# Altium PCB Boris_IO.PcbDoc (part 1 of 2) (continued)
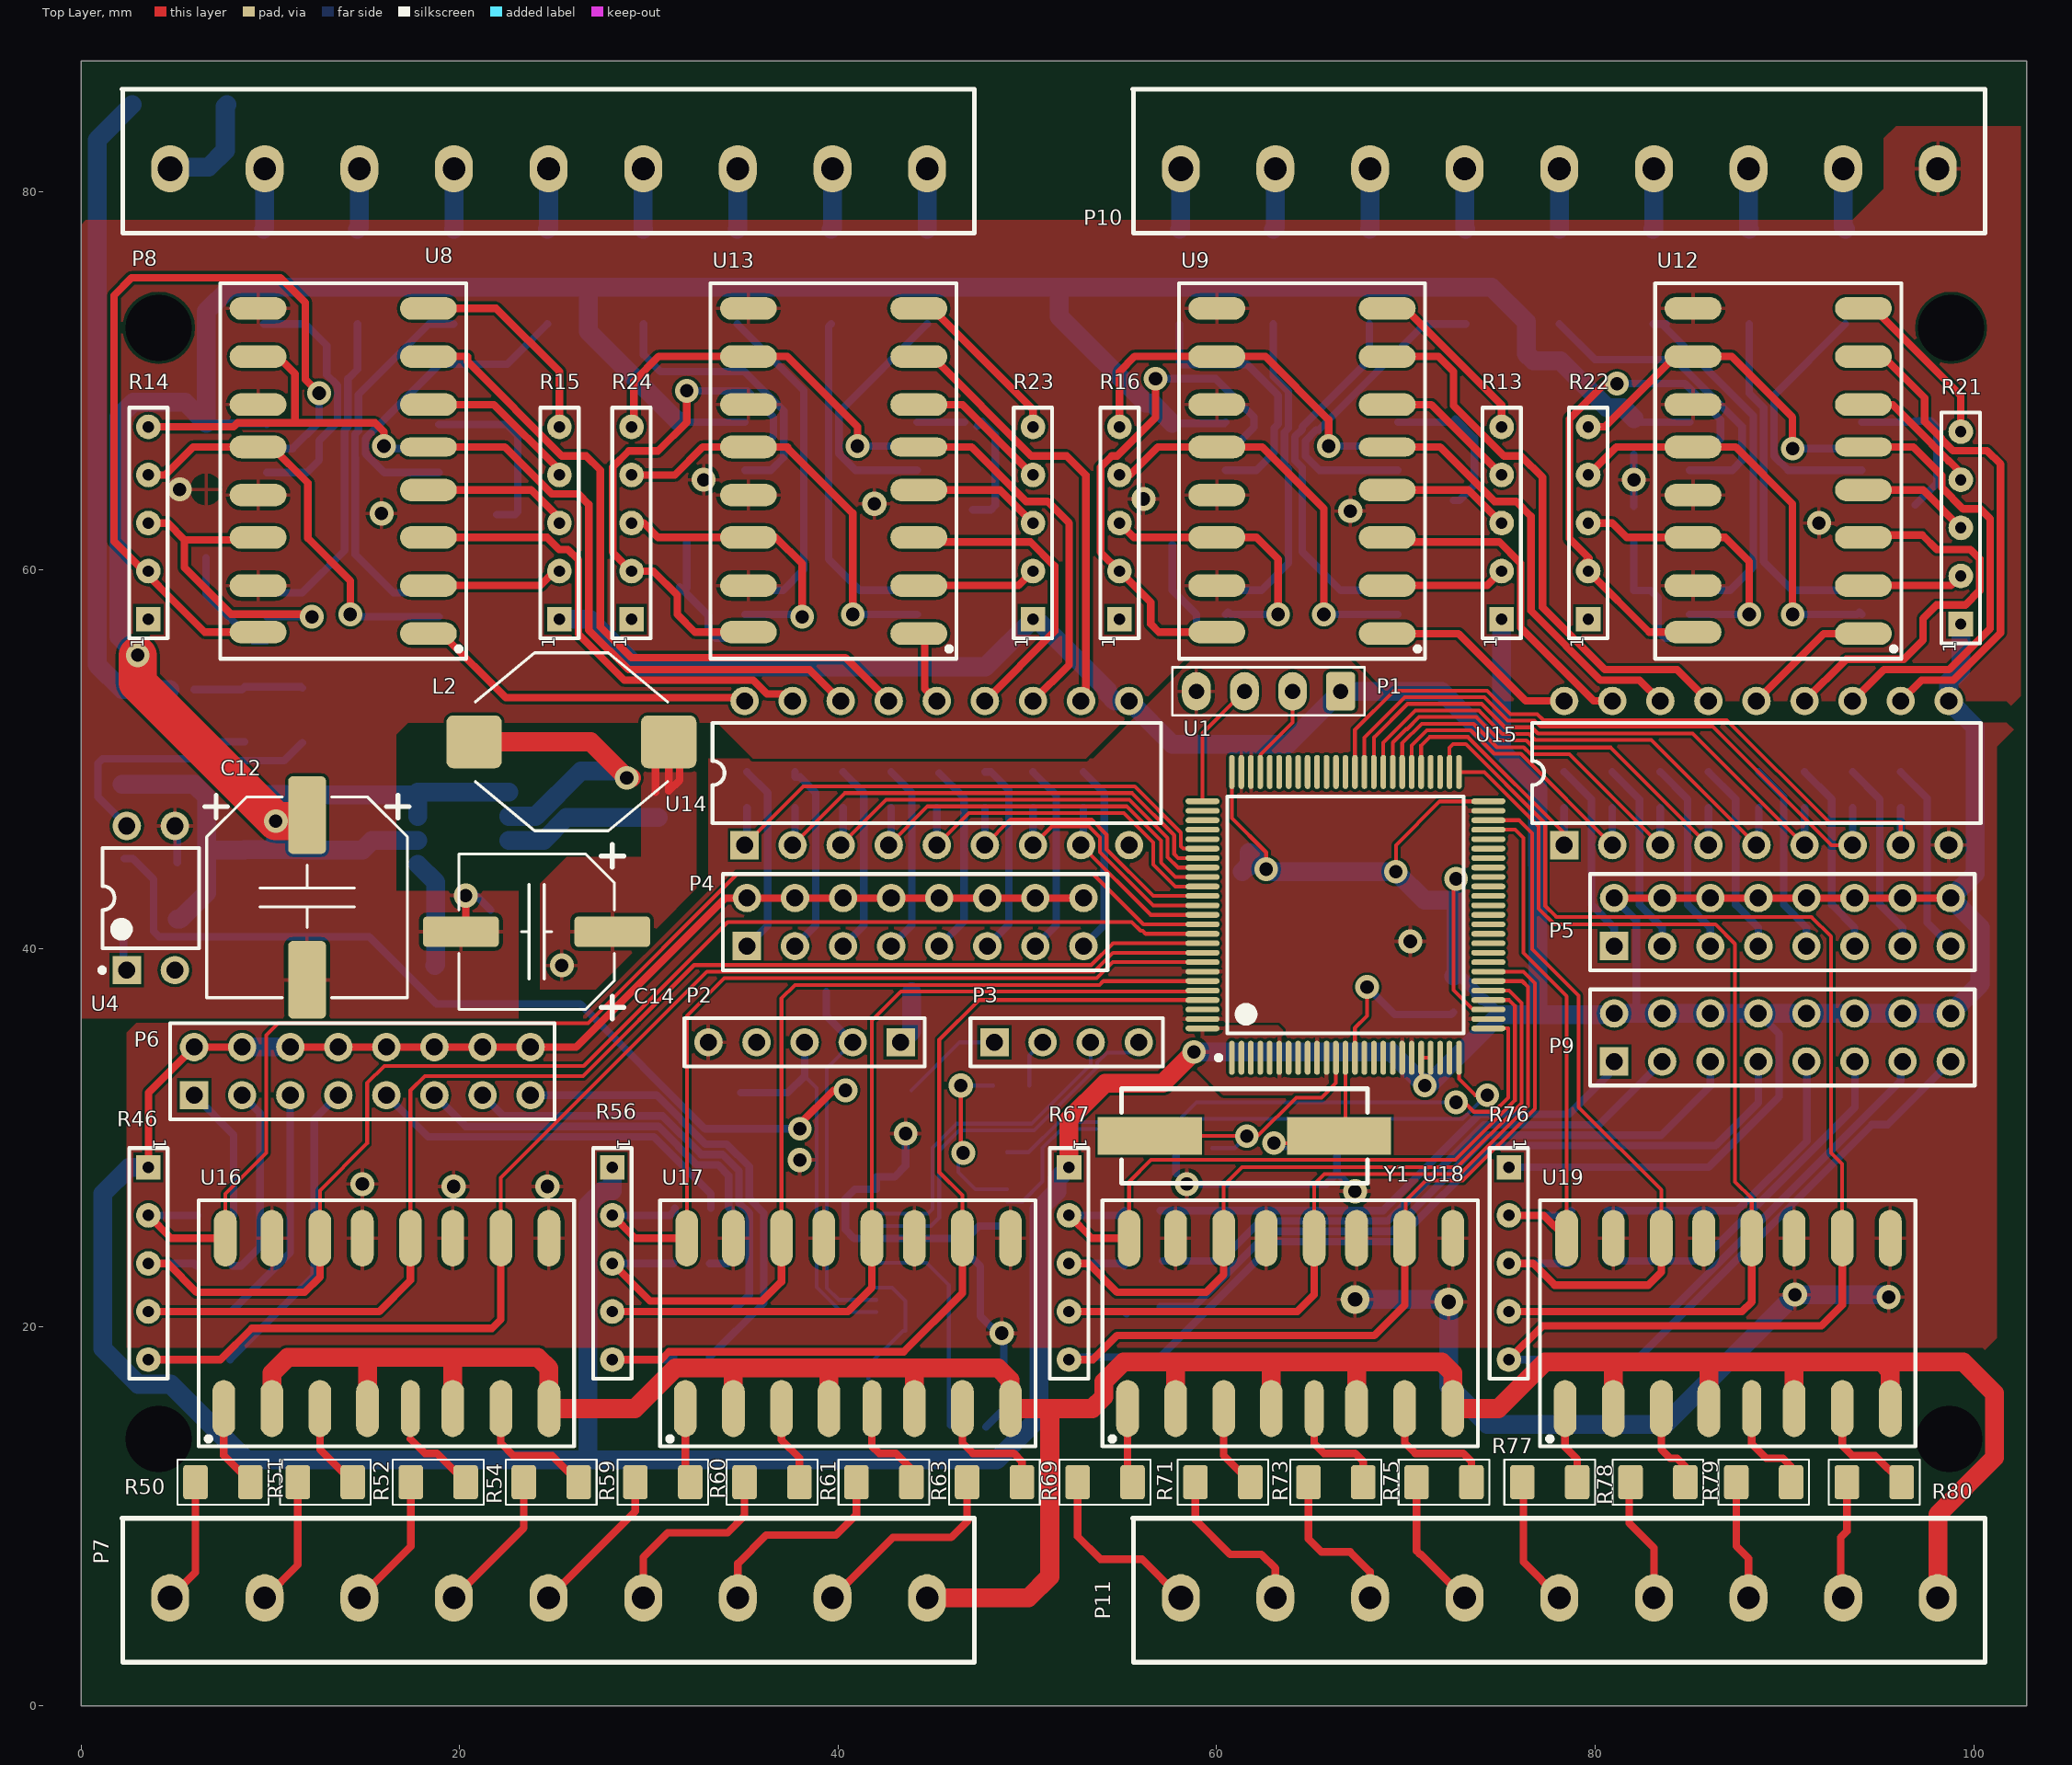
[diagram p0: Top Layer view]
## Components (designator, comment, footprint, x,y, rotation, side; value= is the part's Value field where it differs from the comment) (continued)
R64 "270R" 0805_RES 56.068,23.495 r0 bottom
R65 "270R" 0805_RES 56.068,20.828 r0 bottom
R66 "270R" 0805_RES 56.068,18.288 r0 bottom
R67 "4x10k" NFD_SIL-RES-5 52.197,28.448 r270 top
R68 "270R" 0805_RES 79.69,25.781 r0 bottom
R69 "3k" RESC3216N 54.102,11.811 r0 top
R70 "270R" 0805_RES 79.69,23.495 r0 bottom
R71 "3k" RESC3216N 60.325,11.811 r0 top
R72 "270R" 0805_RES 79.69,20.828 r0 bottom
R73 "3k" RESC3216N 66.294,11.811 r0 top
R74 "270R" 0805_RES 79.69,18.288 r0 bottom
R75 "3k" RESC3216N 72.009,11.811 r0 top
R76 "4x10k" NFD_SIL-RES-5 75.438,28.448 r270 top
R77 "3k" RESC3216N 77.597,11.811 r0 top
R78 "3k" RESC3216N 83.312,11.811 r0 top
R79 "3k" RESC3216N 88.9,11.811 r0 top
R80 "3k" RESC3216N 94.742,11.811 r0 top
U1 "STM32F103VBT6" LQFP100_N 66.802,41.783 r90 top
U2 "FT232RL-Reel" SSOP-28_N 45.466,25.019 r180 bottom
U3 "LD1117AS33" 318E-04 64.643,44.069 r270 bottom
U4 "Optoisolator1" DIP-4 3.683,42.672 r90 top
U5 "MC34063AD" 751-05_N 19.939,46.355 r180 bottom
U6 "L293DD" SO20_N 14.351,61.976 r0 bottom
U7 "L293DD" SO20_N 65.024,62.103 r0 bottom
U8 "LTV844" LTV844S 13.85,65.232 r180 top
U9 "LTV844" LTV844S 64.509,65.232 r180 top
U10 "L293DD" SO20_N 89.535,62.103 r0 bottom
U11 "L293DD" SO20_N 39.624,62.103 r0 bottom
U12 "LTV844" LTV844S 89.669,65.232 r180 top
U13 "LTV844" LTV844S 39.758,65.232 r180 top
U14 "ULN2803A" DIP18 45.212,49.276 r0 top
U15 "ULN2803A" DIP18 88.519,49.276 r0 top
U16 "LTV844" LTV844S 16.129,20.2 r90 top
U17 "LTV844" LTV844S 40.513,20.2 r90 top
U18 "LTV844" LTV844S 63.881,20.2 r90 top
U19 "LTV844" LTV844S 87,20.2 r90 top
Y1 "18.432MHz" SMU4 61.468,30.099 r0 top

## Footprints (in the part's own frame and the unit in brackets; to place one, negate y for a bottom-side part, rotate by r counter-clockwise, add the part's x,y. Pads: shape width x height; smd on the part's side, far side on the other; paste and mask are expansions set on the pad)
3X3 [mm]
  oval 2x2.5 hole 1.3: 1(0,0)
  oval 2x2.5 hole 1.2: 2(5,0) 3(10,0) 4(15,0) 5(20,0) 6(25,0) 7(30,0) 8(35,0) 9(40,0)
  silkscreen extent -2.54,-3.4 42.5,4.2
318E-04 [mm] "SOT-223/SC-73; 4 Leads; Body 6.7 x 7.3 mm, inc. leads (LxW max)"
  rect 1.1x1.75 smd: 1(-2.3,-3.3) 2(0,-3.3) 3(2.3,-3.3)
  rect 3.5x1.75 smd: 4(0,3.3)
  silkscreen extent -3.35,-4.85 3.35,1.85
751-05_N [mm] "SOIC, 8-Leads, Body 4.9x3.9mm, Pitch 1.27mm, IPC Medium Density"
  oval 2.2x0.6 smd: 1(-2.4,1.905) 2(-2.4,0.635) 3(-2.4,-0.635) 4(-2.4,-1.905) 5(2.4,-1.905) 6(2.4,-0.635) 7(2.4,0.635) 8(2.4,1.905)
  silkscreen extent -2.53,-2.5 0.9,2.88, body extent -1.95,-2.45 1.95,2.45, height 1.75
0805_CAP [mm] "Chip Capacitor; Body 2.0 x 1.2 mm (LxW typ)"
  rect 1.3x1.5 smd: 1(-0.95,0) 2(0.95,0)
  silkscreen extent -1.9,-1 1.9,1, body extent -1,-0.62 1,0.63, height 0.78
0805_IND [mm] "Chip Capacitor; Body 2.0 x 1.2 mm (LxW typ)"
  rect 1.3x1.5 smd: 1(-0.95,0) 2(0.95,0)
  silkscreen extent -1.9,-1 1.9,1, body extent -1.05,-0.75 1.05,0.75, height 1.7
0805_RES [mm] "Chip Capacitor; Body 2.0 x 1.2 mm (LxW typ)"
  rect 1.3x1.5 smd: 1(-0.95,0) 2(0.95,0)
  silkscreen extent -1.9,-1 1.9,1, body extent -1,-0.62 1,0.63, height 0.78
7343 [mm] "Capacitor, SM Tantalum; Body 7.3 x 4.3 mm (LxW typ)"
  rect 2.6x2.4 smd: 1(-3.2,0) 2(3.2,0)
  silkscreen extent -4.83,-2.3 3.8,2.54, body extent -3.8,-2.3 3.8,2.3, height 3.1
CAP_ELEC_SIZE_E [mm] "Capacitor, polarized, aluminum can; 8.0x6.2mm DxH"
  round 0.635 on Mech14: 0(0,0)
  rrect25% 1.6x4 smd: 1(0,-4) 2(0,4)
  silkscreen extent -4.6,-4.6 4.6,4.1, body extent -4.25,-4.7 4.25,4.8, height 6.5
CAP_ELEC_SIZE_G [mm] "Capacitor, polarized, aluminum can; 10.0x10.2mm DxH"
  round 0.635 on Mech14: 0(0,0)
  rrect25% 2x4.1 smd: 1(0,-4.35) 2(0,4.35)
  silkscreen extent -5.4,-5.4 5.4,5.3, body extent -5.25,-6 5.25,6, height 10.5
CAPC3216N [mm] "Chip Capacitor, Body 3.2x1.6mm, 1206, IPC Medium Density"
  round 0.508 on Mech14: 0(0,0)
  rrect25% 1.15x1.8 smd: 1(-1.5,0) 2(1.5,0)
  silkscreen extent -2.3,-1.1 2.3,1.1, body extent -1.7,-0.9 1.7,0.9, height 1.74
DIP18 [mm] "DIP; 18 Leads; Row Spacing 7.62 mm; Pitch 2.54 mm"
  rect 1.5x1.5 hole 0.9: 1(-10.16,-3.81)
  round 1.5 hole 0.9: 2(-7.62,-3.81) 3(-5.08,-3.81) 4(-2.54,-3.81) 5(0,-3.81) 6(2.54,-3.81) 7(5.08,-3.81) 8(7.62,-3.81) 9(10.16,-3.81) 10(10.16,3.81) 11(7.62,3.81) 12(5.08,3.81) 13(2.54,3.81) 14(0,3.81) 15(-2.54,3.81) 16(-5.08,3.81) 17(-7.62,3.81) 18(-10.16,3.81)
  silkscreen extent -11.85,-2.65 11.85,2.65
DIP-4 [mm] "DIP; 4 Leads; Row Spacing 7.62 mm; Pitch 2.54 mm"
  rect 1.5x1.5 hole 0.9: 1(-3.81,1.27)
  round 1.5 hole 0.9: 2(-3.81,-1.27) 3(3.81,-1.27) 4(3.81,1.27)
  silkscreen extent -3.93,-2.55 2.65,2.69, body extent -3.15,-2.5 3.15,2.5, height 5.6
DO-214AA [mm] "JEDEC DO214 variation AA. SMB"
  round 0.508 on Mech14: 0(0,0)
  rrect25% 2.5x2.2 smd: A(-2.4,0) K(2.4,0)
  silkscreen extent -2.54,-2.03 2.79,2.03, body extent -2.8,-1.97 2.8,1.98, height 2.62
HDR1X4 [mm] "Connector; Header; 4 Position"
  rect 1.5x1.5 hole 0.9: 1(0,0)
  round 1.5 hole 0.9: 2(2.54,0) 3(5.08,0) 4(7.62,0)
  silkscreen extent -1.27,-1.27 8.89,1.27
HDR1X4_2.54mmp [mil] "Connector; Header; 4 Position 0.100\" pitch"
  rrect25% 60x80 hole 32: 1(0,0)
  oval 60x80 hole 32: 2(100,0) 3(200,0) 4(300,0)
  silkscreen extent -50,-50 350,50
HDR1X5 [mm] "Connector; Header; 5 Position"
  rect 1.5x1.5 hole 0.9: 1(0,0)
  round 1.5 hole 0.9: 2(2.54,0) 3(5.08,0) 4(7.62,0) 5(10.16,0)
  silkscreen extent -1.27,-1.27 11.43,1.27
HDR2X8 [mm] "Connector; Header; 8x2 Position"
  rect 1.5x1.5 hole 0.9: 1(0,0)
  round 1.5 hole 0.9: 2(0,2.54) 3(2.54,0) 4(2.54,2.54) 5(5.08,0) 6(5.08,2.54) 7(7.62,0) 8(7.62,2.54) 9(10.16,0) 10(10.16,2.54) 11(12.7,0) 12(12.7,2.54) 13(15.24,0) 14(15.24,2.54) 15(17.78,0) 16(17.78,2.54)
  silkscreen extent -1.27,-1.27 19.05,3.81
IND_Coilcraft_DO3316P_SM [mil] "Wire-wound Power Inductor, 2-Leads, Body 12.95x9.4mm"
  round 20 on Mech14: 0(0,0)
  rrect25% 115x110 smd: 1(-202.5,0) 2(202.5,0)
  silkscreen extent -200,-185 200,185, body extent -255,-185 255,185, height 172
LQFP100_N [mm] "Thin QFP, 100-Leads, Body 14x14mm, Pitch 0.5mm, IPC Medium Density"
  oval 1.8x0.3 smd: 1(-7.55,6) 2(-7.55,5.5) 3(-7.55,5) 4(-7.55,4.5) 5(-7.55,4) 6(-7.55,3.5) 7(-7.55,3) 8(-7.55,2.5) 9(-7.55,2) 10(-7.55,1.5) 11(-7.55,1) 12(-7.55,0.5) 13(-7.55,0) 14(-7.55,-0.5) 15(-7.55,-1) 16(-7.55,-1.5) 17(-7.55,-2) 18(-7.55,-2.5) 19(-7.55,-3) 20(-7.55,-3.5) 21(-7.55,-4) 22(-7.55,-4.5) 23(-7.55,-5) 24(-7.55,-5.5) 25(-7.55,-6) 51(7.55,-6) 52(7.55,-5.5) 53(7.55,-5) 54(7.55,-4.5) 55(7.55,-4) 56(7.55,-3.5) 57(7.55,-3) 58(7.55,-2.5) 59(7.55,-2) 60(7.55,-1.5) 61(7.55,-1) 62(7.55,-0.5) 63(7.55,0) 64(7.55,0.5) 65(7.55,1) 66(7.55,1.5) 67(7.55,2) 68(7.55,2.5) 69(7.55,3) 70(7.55,3.5) 71(7.55,4) 72(7.55,4.5) 73(7.55,5) 74(7.55,5.5) 75(7.55,6)
  oval 0.3x1.8 smd: 26(-6,-7.55) 27(-5.5,-7.55) 28(-5,-7.55) 29(-4.5,-7.55) 30(-4,-7.55) 31(-3.5,-7.55) 32(-3,-7.55) 33(-2.5,-7.55) 34(-2,-7.55) 35(-1.5,-7.55) 36(-1,-7.55) 37(-0.5,-7.55) 38(0,-7.55) 39(0.5,-7.55) 40(1,-7.55) 41(1.5,-7.55) 42(2,-7.55) 43(2.5,-7.55) 44(3,-7.55) 45(3.5,-7.55) 46(4,-7.55) 47(4.5,-7.55) 48(5,-7.55) 49(5.5,-7.55) 50(6,-7.55) 76(6,7.55) 77(5.5,7.55) 78(5,7.55) 79(4.5,7.55) 80(4,7.55) 81(3.5,7.55) 82(3,7.55) 83(2.5,7.55) 84(2,7.55) 85(1.5,7.55) 86(1,7.55) 87(0.5,7.55) 88(0,7.55) 89(-0.5,7.55) 90(-1,7.55) 91(-1.5,7.55) 92(-2,7.55) 93(-2.5,7.55) 94(-3,7.55) 95(-3.5,7.55) 96(-4,7.55) 97(-4.5,7.55) 98(-5,7.55) 99(-5.5,7.55) 100(-6,7.55)
  silkscreen extent -7.67,-6.25 6.25,6.82, body extent -7,-7 7,7, height 1.6
LTV844S [mm]
  oval 3x1.2 smd: 1(-4.5,8.59) 2(-4.5,6.05) 3(-4.5,3.51) 4(-4.5,1) 6(-4.5,-3.51) 7(-4.5,-6.05) 8(-4.5,-8.59) 9(4.5,-8.59) 10(4.5,-6.05) 11(4.5,-3.51) 12(4.5,-1.27) 13(4.5,1.27) 14(4.5,3.51) 15(4.5,6.05) 16(4.5,8.51)
  oval 3x1 smd: 5(-4.5,-1.27)
  silkscreen extent -6.5,-9.92 6.5,9.92
NFD_SIL-RES-5 [mm] "Connector; Header; 3x2 Position"
  rect 1.3x1.3 hole 0.6: 1(0,0)
  round 1.3 hole 0.6: 2(2.54,0) 3(5.08,0) 4(7.62,0) 5(10.16,0)
  silkscreen extent -1.02,-1.02 11.18,1.02, body extent -1.27,-1.26 11.43,1.25, height 5.63
RESC3216N [mm] "Chip Resistor, Body 3.2x1.6mm, 1206, IPC Medium Density"
  round 0.508 on Mech14: 0(0,0)
  rrect25% 1.3x1.8 smd: 1(-1.45,0) 2(1.45,0)
  silkscreen extent -2.4,-1.2 2.4,1.2, body extent -1.62,-0.82 1.63,0.83, height 0.69
SMU4 [mm] "Chip Capacitor; Body 2.0 x 1.2 mm (LxW typ)"
  rect 5.5x2 smd: 1(-5,0) 2(5,0)
  silkscreen extent -6.5,-2.5 6.5,2.5, body extent -6.25,-2.4 6.25,2.4, height 4
SO20_N [mm] "SOIC, 20-Leads, Body 12.8x7.5mm, Pitch 1.27mm, IPC Medium Density"
  oval 2.3x0.6 smd: 1(-4.55,5.715) 2(-4.55,4.445) 3(-4.55,3.175) 4(-4.55,1.905) 5(-4.55,0.635) 6(-4.55,-0.635) 7(-4.55,-1.905) 8(-4.55,-3.175) 9(-4.55,-4.445) 10(-4.55,-5.715) 11(4.55,-5.715) 12(4.55,-4.445) 13(4.55,-3.175) 14(4.55,-1.905) 15(4.55,-0.635) 16(4.55,0.635) 17(4.55,1.905) 18(4.55,3.175) 19(4.55,4.445) 20(4.55,5.715)
  silkscreen extent -4.67,-6.5 3,6.69, body extent -3.75,-6.4 3.75,6.4, height 2.65
SO-8_N [mm] "SOIC, 8-Leads, Body 4.9x3.9mm, Pitch 1.27mm, IPC Medium Density"
  oval 2x0.6 smd: 1(-2.5,1.905) 2(-2.5,0.635) 3(-2.5,-0.635) 4(-2.5,-1.905) 5(2.5,-1.905) 6(2.5,-0.635) 7(2.5,0.635) 8(2.5,1.905)
  silkscreen extent -2.62,-2.5 1.1,2.88, body extent -2,-2.5 2,2.5, height 1.75
SSOP-28_N [mm] "SOP, 28-Leads, Body 10.2x5.3mm, Pitch 0.65mm, IPC Medium Density"
  oval 2.1x0.35 smd: 1(-3.45,4.225) 2(-3.45,3.575) 3(-3.45,2.925) 4(-3.45,2.275) 5(-3.45,1.625) 6(-3.45,0.975) 7(-3.45,0.325) 8(-3.45,-0.325) 9(-3.45,-0.975) 10(-3.45,-1.625) 11(-3.45,-2.275) 12(-3.45,-2.925) 13(-3.45,-3.575) 14(-3.45,-4.225) 15(3.45,-4.225) 16(3.45,-3.575) 17(3.45,-2.925) 18(3.45,-2.275) 19(3.45,-1.625) 20(3.45,-0.975) 21(3.45,-0.325) 22(3.45,0.325) 23(3.45,0.975) 24(3.45,1.625) 25(3.45,2.275) 26(3.45,2.925) 27(3.45,3.575) 28(3.45,4.225)
  silkscreen extent -3.57,-5.25 2,5.25, body extent -2.8,-5.25 2.8,5.25, height 2
SST6032 [mm] "Capacitor, SM Tantalum; Body 6.0 x 3.2 mm (LxW typ)"
  rect 2.6x2.2 smd: 1(-2.5,0) 2(2.5,0)
  silkscreen extent -3.15,-1.75 3.15,1.75, body extent -3.05,-1.35 3.05,1.35, height 2.7

## Part data
C1 C2 C3 C4 C5 C7 C8 C9 C10 C11 C13 C15 C16 C17 C18 C19 C20 C21 C22 C23 C24 C25 C26 C27 C28 C29 C30 C31 C32: library part Cap, "Capacitor"
C6: library part "Cap Pol1", "Polarized Capacitor (Radial)"
C12 C14: "Polarized Capacitor (Radial)"
D1: library part DIODE_SCHOTTKY_MBRS130L, "Diode Schottky SMD 30V 1A DO-214AA"
F1 F2 F3 F4 F5 F6 F7 F8 F9 F10 F11 F12 F13 F14 F15 F16 F17: library part "Fuse 1", "Fuse"
L1: "Magnetic-Core Inductor"
L2: library part Inductor, "Inductor"
P1: library part "Header 4", "Header, -Pin"
P2: "Header, 5-Pin"
P3: "Header, 4-Pin"
P4 P5 P6 P9: "Header, 8-Pin, Dual row"
P7 P8 P10 P11: "Header, 9-Pin"
Q1: "P-Channel 30V (D-S)  MOSFET"
R1 R2 R3 R4 R5 R6 R7 R8 R9 R10 R11 R12 R17 R18 R19 R20 R25 R26 R27 R28 R29 R30 R31 R32 R33 R34 R35 R36 R37 R38 R39 R40 R41 R42 R43 R44 R45 R47 R48 R49 R50 R51 R52 R53 R54 R55 R57 R58 R59 R60 R61 R62 R63 R64 R65 R66 R68 R69 R70 R71 R72 R73 R74 R75 R77 R78 R79 R80: library part Res2, "Resistor"
R13 R14 R15 R16 R21 R22 R23 R24 R46 R56 R67 R76: library part SIL_10k
U1: "STM32 ARM-based 32-bit MCU with 64 Kbytes Flash, 100-pin LQFP, Industrial Temperature"
U2: "USB UART Asynchronous Serial Data Transfer Chip, SSOP-28, Tape and Reel"
U3: library part LM317MBSTT3, "Three-Terminal Adjustable Output Positive Voltage Regulator"
U4: "4-Pin Phototransistor Optocoupler"
U5: "DC-to-DC Converter Control Circuit"
U6 U7 U10 U11: "Push-Pull Four Channel Driver With Diode"
U8 U9 U12 U13 U16 U17 U18 U19: "4x optocoupler"
U14 U15: "Eight Darlington Array"
Y1: library part XTAL, "Crystal Oscillator"

## Free pads (board coordinates)
  round 0 hole 3.5: 0(4.1,14.1) 1(98.7,14.1) 2(98.8,72.8) 3(4.1,72.8)
  round 1.524 hole 0.762: 0(67.31,21.463) 1(72.263,21.336)

## Via types
v1: diameter 1.25, hole 0.711, Top Layer to Bottom Layer, 32 vias
v2: diameter 1.27, hole 0.711, Top Layer to Bottom Layer, 22 vias

## Nets (pads, with @x,y where several pads share a name; then routed paths per layer and width w, separated by ;. In a path a pad name is that pad's centre, name@x,y a point inside that pad or via, vN(x,y) a via of type N, cw(c..) or ccw(c..) an arc to the next point about the centre after c; other vN are vias at no path point)
COM: P7.9 P11.9 U16.2 U16.4 U16.6 U16.8 U17.2 U17.4 U17.6 U17.8 U18.2 U18.4 U18.6 U18.8 U19.2 U19.4 U19.6 U19.8 | length 159.4
  Top Layer w1: U16.2@10.079,15.7 10.079,17.572 10.922,18.415 24.13,18.415 24.719,17.826 U16.8@24.719,15.7 29.255,15.7 31.405,17.85 48.444,17.85 49.085,17.209 49.085,15.717 U17.8@49.103,15.7 51.181,15.7 ; U16.4@15.129,15.7 15.129,18.304 ; U16.6@19.639,15.7 19.639,18.242 ; U17.2@34.463,15.7 34.463,17.677 ; U17.4@39.513,15.7 39.513,17.739 ; U17.6@44.023,15.7 44.023,17.804 ; P7.9@44.7,5.7 50.053,5.7 51.181,6.828 51.181,15.7 ; U18.2@57.831,15.7 57.831,18.08 ; U18.4@62.881,15.7 62.881,17.923 ; U18.6@67.391,15.7 67.391,17.861 ; U19.2@80.95,15.7 80.95,17.983 ; U19.4@86,15.7 86,18.14 85.979,18.161 ; U19.6@90.51,15.7 90.51,18.075 90.424,18.161 ; U19.8@95.59,15.7 95.59,17.694 95.123,18.161 ; P11.9@98.1,5.7 98.1,10.106 101.1,13.106 101.1,16.5 99.439,18.161 95.123,18.161 ; 51.181,15.7 53.419,15.7 54.041,16.322 54.041,17.118 55.084,18.161 71.882,18.161 72.471,17.572 U18.8@72.471,15.7 74.882,15.7 77.343,18.161 85.979,18.161 ; 85.979,18.161 90.424,18.161 ; 90.424,18.161 95.123,18.161
EN1_1: C21.1 R17.1 U6.1 | length 6.1
  Bottom Layer w0.4: 6.604,60.645 R17.1@6.604,58.735 9.078,56.261 U6.1@9.801,56.261
EN1_2: C22.1 R18.1 U6.11 | length 9.6
  Bottom Layer w0.4: U6.11@18.901,67.691 22.479,67.691 23.071,67.099 23.071,63.076 22.921,62.926 R18.1@21.971,62.926
EN2_1: C31.1 R27.1 U11.1 | length 7.5
  Bottom Layer w0.4: R27.1@31.623,59.116 33.147,57.592 33.147,56.769 33.528,56.388 U11.1@35.074,56.388 ; R27.1@32.004,59.055 C31.1@32.004,61.473
EN2_2: C32.1 R28.1 U11.11 | length 8.9
  Bottom Layer w0.4: U11.11@44.174,67.818 C32.1@46.67,67.818 ; R28.1@47.117,63.18 48.067,63.18 48.303,63.416 48.303,67.14 47.594,67.849 C32.1@47.34,67.595
EN3_1: C23.1 R19.1 U7.1 | length 6.9
  Bottom Layer w0.4: C23.1@57.658,61.346 57.658,58.928 58.928,57.658 58.928,56.642 59.182,56.388 U7.1@60.474,56.388
EN3_2: C24.1 R20.1 U7.11 | length 8.4
  Bottom Layer w0.4: U7.11@69.574,67.818 72.456,67.818 72.581,67.943 72.613,67.976 73.617,66.972 73.617,64.473 72.832,63.688 R20.1@72.517,63.688
EN4_1: C25.1 R25.1 U10.1 | length 7.6
  Bottom Layer w0.4: C25.1@82.042,61.473 82.042,58.923 82.936,58.923 83.312,58.547 83.312,56.769 83.693,56.388 U10.1@84.985,56.388
EN4_2: C26.1 R26.1 U10.11 | length 8.7
  Bottom Layer w0.4: U10.11@94.085,67.818 96.84,67.818 96.901,67.879 97.729,67.879 98.044,67.564 98.044,64.577 R26.1@96.901,63.434
GND: C12.2 C13.2 C14.2 C15.2 C16.2 C17.2 C18.2 C19.2 C20.2 C21.2 C22.2 C23.2 C24.2 C25.2 C26.2 C27.2 C28.2 C29.2 C30.2 C31.2 C32.2 D1.A P10.9 R12.2 U4.3 U5.4 U6.4 U6.5 U6.6 U6.7 U6.14 U6.15 U6.16 U6.17 U7.4 U7.5 U7.6 U7.7 U7.14 U7.15 U7.16 U7.17 U8.9 U8.11 U8.13 U8.15 U9.9 U9.11 U9.13 U9.15 U10.4 U10.5 U10.6 U10.7 U10.14 U10.15 U10.16 U10.17 U11.4 U11.5 U11.6 U11.7 U11.14 U11.15 U11.16 U11.17 U12.9 U12.11 U12.13 U12.15 U13.9 U13.11 U13.13 U13.15 | length 8
  Top Layer w0.4: C14.2@20.32,41.147 v2(20.32,42.799)
  Bottom Layer w0.4: U4.3@4.953,46.482 5.08,46.355 C13.2@5.08,44.553 ; v2(20.32,42.799) 20.881,42.799 R12.2@21.643,42.037 ; C25.2@82.042,63.373 v2(82.042,64.77) C29.2@82.042,66.106
  other v2: 91.821,62.484 15.875,62.992 67.056,63.119 41.91,63.5 56.134,63.754 5.207,64.262 32.893,64.77
GND_USB: C1.2 C2.1 C3.1 C4.2 C5.2 C6.2 C7.2 C8.1 C9.1 C10.2 C11.2 P1.4 P2.5 pad.0@67.31,21.463 pad.1@72.263,21.336 U1.10 U1.19 U1.20 U1.27 U1.49 U1.73 U1.74 U1.94 U1.99 U2.7 U2.18 U2.21 U2.25 U2.26 U3.1 U4.2 U14.9 U15.9 U16.9 U16.11 U16.13 U16.15 U17.9 U17.11 U17.13 U17.15 U18.9 U18.11 U18.13 U18.15 U19.9 U19.11 U19.13 U19.15 | length 75.8
  Bottom Layer w0.4: v1(43.561,30.226) 43.561,28.522 42.983,27.944 U2.26@42.016,27.944 U2.25@42.016,27.294 40.883,27.294 40.386,26.797 40.386,25.146 40.838,24.694 U2.21@42.016,24.694 46.792,24.694 ; C11.2@47.813,14.732 48.747,15.666 v2@48.747,19.579 ; v2@48.408,19.685 47.516,20.577 47.516,23.223 46.792,23.947 46.792,24.694 ; U2.7@48.916,25.344 47.442,25.344 46.792,24.694 ; 57.851,28.128 C2.1@57.851,29.464 ; v2(58.42,27.559) 65.781,27.559 66.355,28.133 ; C3.1@66.355,29.464 66.355,28.133 ; v2(67.31,27.178) 66.355,28.133
  Bottom Layer w1: pad.0@67.31,21.463 pad.1@72.136,21.463 ; pad.1@72.263,21.336 72.263,16.891 74.295,14.859 83.693,14.859 v2(90.551,21.717) v2@95.377,21.717
  other v2: 48.641,19.685 95.504,21.59 19.685,27.432 24.638,27.432 14.859,27.559 37.973,28.829 70.231,40.386
IN_1: R45.1 R46.2 U1.89 U16.16 | length 72.9
  Top Layer w0.2: U16.16@7.619,24.7 7.619,27.05 9.779,29.21 9.779,35.433 10.414,36.068 10.967,36.068 10.981,36.054 26.783,36.054 34.671,43.942 53.467,43.942 56.126,41.283 U1.89@59.252,41.283
  Top Layer w0.4: R46.2@3.556,25.908 4.764,24.7 U16.16@7.619,24.7
  Bottom Layer w0.4: R46.2@3.556,25.908 R45.1@6.162,25.908
IN_2: R46.3 R47.1 U1.90 U16.14 | length 71.8
  Top Layer w0.2: U16.14@12.619,24.7 12.619,27.224 15.113,29.718 15.113,32.893 16.018,33.798 26.559,33.798 34.163,41.402 55.512,41.402 55.981,40.933 56.095,40.933 56.245,40.783 U1.90@59.252,40.783
  Top Layer w0.4: R46.3@3.556,23.368 4.572,23.368 6.096,21.844 11.811,21.844 12.619,22.652 U16.14@12.619,24.7
  Bottom Layer w0.4: R46.3@3.556,23.368 5.969,23.368 R47.1@6.096,23.241
IN_3: R46.4 R48.1 U1.91 U16.12 | length 72.1
  Top Layer w0.2: U16.12@17.399,24.7 17.399,32.512 18.161,33.274 26.53,33.274 32.388,39.132 53.373,39.132 54.524,40.283 U1.91@59.252,40.283
  Top Layer w0.4: R46.4@3.556,20.828 15.748,20.828 17.399,22.479 U16.12@17.399,24.7
  Bottom Layer w0.4: R46.4@3.556,20.828 R48.1@6.035,20.828
IN_4: R46.5 R49.1 U1.92 U16.10 | length 71.4
  Top Layer w0.2: U16.10@22.179,24.7 22.179,27.894 33.067,38.782 53.518,38.782 54.519,39.783 U1.92@59.252,39.783
  Top Layer w0.4: R46.5@3.556,18.288 7.366,18.288 9.017,19.939 21.717,19.939 22.179,20.401 U16.10@22.179,24.7
  Bottom Layer w0.4: R46.5@3.556,18.288 R49.1@5.974,18.288
IN_5: R53.1 R56.2 U1.93 U17.16 | length 48.1
  Top Layer w0.2: U17.16@32.003,24.7 32.003,36.448 33.987,38.432 53.663,38.432 54.514,39.283 U1.93@59.252,39.283
  Top Layer w0.4: R56.2@28.067,25.908 29.275,24.7 U17.16@32.003,24.7
  Bottom Layer w0.4: R56.2@28.067,25.908 31.115,25.908 31.369,26.162 R53.1@31.369,26.289
IN_6: R55.1 R56.3 U1.95 U17.14 | length 51
  Top Layer w0.2: U17.14@37.003,24.7 37.003,37.366 37.719,38.082 53.808,38.082 54.009,38.283 U1.95@59.252,38.283
  Top Layer w0.4: R56.3@28.067,23.368 30.057,21.378 35.983,21.378 37.003,22.398 U17.14@37.003,24.7
  Bottom Layer w0.4: R56.3@28.067,23.368 R55.1@31.308,23.368
IN_7: R56.4 R57.1 U1.96 U17.12 | length 49.6
  Top Layer w0.2: U17.12@41.783,24.7 41.783,36.195 43.32,37.732 59.252,37.732 U1.96@59.252,37.783
  Top Layer w0.4: R56.4@28.067,20.828 40.513,20.828 41.783,22.098 U17.12@41.783,24.7
  Bottom Layer w0.4: R56.4@28.067,20.828 R57.1@31.181,20.828
IN_8: R56.5 R58.1 U1.97 U17.10 | length 51.9
  Top Layer w0.2: U17.10@46.563,24.7 46.563,26.97 45.339,28.194 45.339,35.179 47.443,37.283 U1.97@59.252,37.283
  Top Layer w0.4: R56.5@28.067,18.288 30.641,18.288 31.053,18.7 43.465,18.7 46.563,21.798 U17.10@46.563,24.7
  Bottom Layer w0.4: R56.5@28.067,18.288 31.181,18.288 R58.1@31.308,18.415
IN_9: R62.1 R67.2 U1.29 U18.16 | length 38.4
  Top Layer w0.2: U18.16@55.371,24.7 55.371,27.685 56.535,28.849 72.618,28.849 75.754,31.985 75.754,36.985 75.456,37.283 U1.29@74.352,37.283
  Top Layer w0.4: R67.2@52.197,25.908 53.405,24.7 U18.16@55.371,24.7
  Bottom Layer w0.4: R67.2@52.197,25.908 54.864,25.908 R62.1@55.118,26.162
IN_10: R64.1 R67.3 U1.30 U18.14 | length 42
  Top Layer w0.2: U18.14@60.371,24.7 60.371,27.478 61.341,28.448 72.712,28.448 76.104,31.84 76.104,37.13 75.451,37.783 U1.30@74.352,37.783
  Top Layer w0.4: R67.3@52.197,23.368 53.213,23.368 54.737,21.844 59.436,21.844 60.371,22.779 U18.14@60.371,24.7
  Bottom Layer w0.2: R67.3@52.197,23.368 R67.3@52.197,23.609
  Bottom Layer w0.4: R67.3@52.197,23.368 54.991,23.368 R64.1@55.118,23.241
IN_11: R65.1 R67.4 U1.31 U18.12 | length 43.8
  Top Layer w0.2: U18.12@65.151,24.7 65.151,27.559 65.69,28.098 72.857,28.098 76.454,31.695 76.454,37.973 76.144,38.283 U1.31@74.352,38.283
  Top Layer w0.4: R67.4@52.197,20.828 64.262,20.828 65.151,21.717 U18.12@65.151,24.7
  Bottom Layer w0.4: R67.4@52.197,20.828 R65.1@55.118,20.828 R65.1@55.245,20.701
IN_12: R66.1 R67.5 U1.32 U18.10 | length 45.6
  Top Layer w0.2: U18.10@69.931,24.7 69.977,24.746 69.977,26.67 71.055,27.748 73.002,27.748 76.804,31.55 76.804,38.179 76.2,38.783 U1.32@74.352,38.783
  Top Layer w0.4: R67.5@52.197,18.288 53.467,18.288 54.737,19.558 68.326,19.558 69.931,21.163 U18.10@69.931,24.7
  Bottom Layer w0.4: R67.5@52.197,18.288 52.324,18.415 R66.1@55.118,18.415
IN_13: R68.1 R76.2 U1.47 U19.16 | length 31.1
  Top Layer w0.2: U1.47@74.352,46.283 75.764,46.283 76.2,45.847 76.2,39.768 78.486,37.482 78.486,30.712 78.49,30.708 U19.16@78.49,24.7
  Top Layer w0.4: R76.2@75.438,25.908 77.282,25.908 U19.16@78.49,24.7
  Bottom Layer w0.4: R76.2@75.438,25.908 78.486,25.908 R68.1@78.74,26.162
IN_14: R70.1 R76.3 U1.48 U19.14 | length 40.8
  Top Layer w0.2: U1.48@74.352,46.783 75.977,46.783 76.659,46.101 76.659,39.978 79.121,37.516 79.121,31.623 83.49,27.254 U19.14@83.49,24.7
  Top Layer w0.4: R76.3@75.438,23.368 76.708,23.368 77.851,22.225 82.804,22.225 83.49,22.911 U19.14@83.49,24.7
  Bottom Layer w0.4: R76.3@75.438,23.368 78.613,23.368 R70.1@78.74,23.495
IN_15: R72.1 R76.4 U1.51 U19.12 | length 56.5
  Top Layer w0.2: U1.51@72.802,49.333 74.137,49.333 77.009,46.461 77.009,42.113 77.847,41.275 86.351,41.275 87.376,40.25 87.376,27.686 88.27,26.792 U19.12@88.27,24.7
  Top Layer w0.4: R76.4@75.438,20.828 87.757,20.828 88.27,21.341 U19.12@88.27,24.7
  Bottom Layer w0.4: R76.4@75.438,20.828 R72.1@78.74,20.828
IN_16: R74.1 R76.5 U1.52 U19.10 | length 70.1
  Top Layer w0.2: U1.52@72.302,49.333 72.302,50.616 72.493,50.807 73.159,50.807 77.359,46.606 77.359,42.258 77.945,41.672 91.424,41.672 92.456,40.64 92.456,29.21 93.05,28.616 U19.10@93.05,24.7
  Top Layer w0.4: R76.5@75.438,18.288 77.216,20.066 91.948,20.066 93.05,21.168 U19.10@93.05,24.7
  Bottom Layer w0.4: R76.5@75.438,18.288 R74.1@78.74,18.288
NetC2_2: C2.2 U1.12 Y1.1 | length 13.8
  Top Layer w0.2: Y1.1@57.15,30.099 v1(61.595,30.099) 62.168,30.099 64.2,32.131 65.532,32.131 66.302,32.901 U1.12@66.302,34.233
  Bottom Layer w0.2: C2.2@59.751,29.464 60.96,29.464 v1(61.595,30.099)
NetC3_2: C3.2 U1.13 Y1.2 | length 9.6
  Top Layer w0.2: v1(63.03,29.724) 66.093,29.724 Y1.2@66.468,30.099 ; U1.13@66.802,34.233 66.802,30.353 Y1.2@67.056,30.099
  Bottom Layer w0.2: v1(63.03,29.724) 62.992,29.686 62.992,29.464 C3.2@64.455,29.464
NetC8_2: C8.2 P2.2 U2.16 | length 19.7
  Bottom Layer w0.2: P2.2@40.767,35.052 39.401,33.686 39.401,22.067 40.024,21.444 U2.16@42.016,21.444
  Bottom Layer w0.4: C8.2@39.37,37.719 39.37,36.449 P2.2@40.767,35.052
NetC9_2: C9.2 P2.3 U2.15 | length 20.6
  Bottom Layer w0.2: 38.227,33.274 38.862,32.639 38.862,22.111 40.179,20.794 U2.15@42.016,20.794
  Bottom Layer w0.4: C9.2@34.859,32.385 37.338,32.385 38.227,33.274 P2.3@38.227,35.052
NetC11_1: C11.1 R4.1 U2.19 | length 11.8
  Bottom Layer w0.2: U2.19@42.016,23.394 44.678,23.394 45.847,22.225 R4.1@45.847,17.272 45.847,14.798 C11.1@45.913,14.732
NetC16_1: C16.1 U5.3 | length 8.4
  Bottom Layer w1: U5.3@22.593,45.72 24.438,45.72 25.642,46.924 C16.1@30.48,46.924
NetD1_K: D1.K L2.1 U5.2 | length 16.5
  Top Layer w1: L2.1@20.764,50.927 26.924,50.927 v1(28.829,49.022) v1@29.083,49.022
  Bottom Layer w1: U5.2@22.593,46.99 24.016,46.99 D1.K@26.416,49.39 28.461,49.39 v1(28.829,49.022)
NetF1_2: F1.2 P8.1 | length 5.8
  Bottom Layer w1: P8.1@4.7,81.2 4.78,81.28 6.731,81.28 7.62,82.169 7.62,84.495 F1.2@7.707,84.582
NetF2_2: F2.2 P8.2 | length 3.2
  Bottom Layer w1: F2.2@9.652,78 9.7,78.048 P8.2@9.7,81.2
NetF3_2: F3.2 P8.3 | length 3.2
  Bottom Layer w1: F3.2@14.605,78 14.7,78.095 P8.3@14.7,81.2
NetF4_2: F4.2 P8.4 | length 3.2
  Bottom Layer w1: F4.2@19.685,78 19.7,78.015 P8.4@19.7,81.2
NetF5_2: F5.2 P8.5 | length 3.2
  Bottom Layer w1: F5.2@24.638,78 24.7,78.062 P8.5@24.7,81.2
NetF6_2: F6.2 P8.6 | length 3.2
  Bottom Layer w1: P8.6@29.7,81.2 29.7,78.018 F6.2@29.718,78
NetF7_2: F7.2 P8.7 | length 3.2
  Bottom Layer w1: F7.2@34.671,78 34.7,78.029 P8.7@34.7,81.2
NetF8_2: F8.2 P8.8 | length 3.2
  Bottom Layer w1: F8.2@39.624,78 39.7,78.076 P8.8@39.7,81.2
NetF9_2: F9.2 P8.9 | length 3.2
  Bottom Layer w1: P8.9@44.7,81.2 44.7,78.004 F9.2@44.704,78
NetF10_2: F10.2 P10.1 | length 3.2
  Bottom Layer w1: F10.2@58.039,78 58.1,78.061 P10.1@58.1,81.2
NetF11_2: F11.2 P10.2 | length 3.2
  Bottom Layer w1: F11.2@62.992,78 63.1,78.108 P10.2@63.1,81.2
NetF12_2: F12.2 P10.3 | length 3.2
  Bottom Layer w1: F12.2@68.072,78 68.1,78.028 P10.3@68.1,81.2
NetF13_2: F13.2 P10.4 | length 3.2
  Bottom Layer w1: P10.4@73.1,81.2 73.1,78.052 F13.2@73.152,78
NetF14_2: F14.2 P10.5 | length 3.2
  Bottom Layer w1: P10.5@78.1,81.2 78.105,81.195 F14.2@78.105,78
NetF15_2: F15.2 P10.6 | length 3.2
  Bottom Layer w1: F15.2@83.058,78 83.1,78.042 P10.6@83.1,81.2
NetF16_2: F16.2 P10.7 | length 3.2
  Bottom Layer w1: P10.7@88.1,81.2 88.1,78.038 F16.2@88.138,78
NetF17_2: F17.2 P10.8 | length 3.2
  Bottom Layer w1: P10.8@93.1,81.2 93.1,78.118 F17.2@93.218,78
NetL1_1: L1.1 P2.1 | length 2.9
  Bottom Layer w1: P2.1@43.307,35.052 43.876,35.621 L1.1@43.876,37.719
NetP3_1: P3.1 R2.2 | length 5.4
  Bottom Layer w0.2: R2.2@43.876,32.512 46.416,35.052 P3.1@48.26,35.052
NetP3_2: P3.2 R3.2 | length 2.6
  Bottom Layer w0.2: R3.2@50.099,32.766 50.099,34.351 P3.2@50.8,35.052
NetP3_3: P3.3 U2.23 | length 17.7
  Bottom Layer w0.2: U2.23@42.016,25.994 44.745,25.994 44.989,26.238 44.989,29.482 46.255,30.748 50.216,30.748 53.34,33.872 P3.3@53.34,35.052
NetP3_4: P3.4 U2.22 | length 20.6
  Bottom Layer w0.2: U2.22@42.016,25.344 44.902,25.344 45.339,25.781 45.339,29.337 46.4,30.398 50.361,30.398 53.69,33.727 53.69,33.988 54.215,34.513 55.644,34.513 55.755,34.402 55.88,34.402 P3.4@55.88,35.052
NetP4_1: P4.1 R29.2 | length 10.1
  Bottom Layer w0.4: P4.1@35.179,40.132 36.279,41.232 36.279,48.237 R29.2@35.179,49.337
NetP4_3: P4.3 R30.2 | length 10.3
  Bottom Layer w0.4: P4.3@37.719,40.132 38.819,41.232 38.819,48.232 37.986,49.065 37.719,49.065 R30.2@37.719,49.337
NetP4_5: P4.5 R31.2 | length 10.1
  Bottom Layer w0.4: P4.5@40.259,40.132 41.359,41.232 41.359,48.237 R31.2@40.259,49.337
NetP4_7: P4.7 R32.2 | length 10.1
  Bottom Layer w0.4: P4.7@42.799,40.132 43.899,41.232 43.899,48.237 R32.2@42.799,49.337
NetP4_9: P4.9 R33.2 | length 10.2
  Bottom Layer w0.4: P4.9@45.339,40.132 46.652,41.445 46.652,47.963 R33.2@45.339,49.276
NetP4_11: P4.11 R34.2 | length 10.4
  Bottom Layer w0.4: R34.2@47.752,49.337 48.072,49.337 49.022,48.387 49.022,41.275 P4.11@47.879,40.132
NetP4_13: P4.13 R35.2 | length 10.2
  Bottom Layer w0.4: R35.2@50.292,49.337 51.519,48.11 51.519,41.232 P4.13@50.419,40.132
NetP4_15: P4.15 R36.2 | length 10.1
  Bottom Layer w0.4: P4.15@52.959,40.132 54.059,41.232 54.059,48.237 R36.2@52.959,49.337
NetP5_1: P5.1 R37.2 | length 10.3
  Bottom Layer w0.4: R37.2@78.359,49.337 79.799,47.897 79.799,42.317 81,41.116 P5.1@81,40.132
NetP5_3: P5.3 R38.2 | length 10.3
  Bottom Layer w0.4: R38.2@80.899,49.337 82.339,47.897 82.339,42.317 83.54,41.116 P5.3@83.54,40.132
NetP5_5: P5.5 R39.2 | length 10.3
  Bottom Layer w0.4: R39.2@83.439,49.337 84.879,47.897 84.879,42.317 86.08,41.116 P5.5@86.08,40.132
NetP5_7: P5.7 R40.2 | length 10.3
  Bottom Layer w0.4: R40.2@85.979,49.337 87.419,47.897 87.419,42.317 88.62,41.116 P5.7@88.62,40.132
NetP5_9: P5.9 R41.2 | length 10.2
  Bottom Layer w0.4: R41.2@88.646,49.337 89.959,48.024 89.959,42.317 91.16,41.116 P5.9@91.16,40.132
NetP5_11: P5.11 R42.2 | length 10.3
  Bottom Layer w0.4: R42.2@91.059,49.337 92.499,47.897 92.499,42.317 93.7,41.116 P5.11@93.7,40.132
NetP5_13: P5.13 R43.2 | length 10.3
  Bottom Layer w0.4: R43.2@93.599,49.337 95.039,47.897 95.039,42.317 96.24,41.116 P5.13@96.24,40.132
NetP5_15: P5.15 R44.2 | length 10.3
  Bottom Layer w0.4: R44.2@96.139,49.337 97.536,47.94 97.536,41.376 P5.15@98.78,40.132
NetP6_1: P6.1 R45.2 | length 7.2
  Bottom Layer w0.4: P6.1@5.969,32.258 8.062,30.165 R45.2@8.062,25.908
NetP6_3: P6.3 R47.2 | length 10.3
  Bottom Layer w0.4: R47.2@7.996,23.241 8.446,23.241 9.459,24.254 9.459,31.308 P6.3@8.509,32.258
NetP6_5: P6.5 R48.2 | length 12.7
  Bottom Layer w0.4: R48.2@7.935,20.828 11.049,23.942 P6.5@11.049,32.258
NetP6_7: P6.7 R49.2 | length 16.3
  Bottom Layer w0.4: R49.2@7.874,18.288 12.319,22.733 12.319,30.988 P6.7@13.589,32.258
NetP6_9: P6.9 R53.2 | length 20.1
  Bottom Layer w0.4: P6.9@16.129,32.258 18.329,30.058 30.267,30.058 33.274,27.051 R53.2@33.274,26.289
NetP6_11: P6.11 R55.2 | length 23.2
  Bottom Layer w0.4: P6.11@18.669,32.258 20.319,30.608 30.495,30.608 32.528,28.575 33.655,28.575 34.208,28.022 34.208,26.339 34.544,26.003 34.544,23.749 34.163,23.368 R55.2@33.208,23.368
NetP6_13: P6.13 R57.2 | length 24.6
  Bottom Layer w0.4: P6.13@21.209,32.258 22.309,31.158 30.723,31.158 32.756,29.125 33.883,29.125 34.758,28.25 34.758,26.567 35.306,26.019 35.306,21.717 34.417,20.828 R57.2@33.081,20.828
NetP6_15: P6.15 R58.2 | length 24.7
  Bottom Layer w0.4: P6.15@23.749,32.258 30.4,32.258 32.983,29.675 34.111,29.675 35.308,28.478 35.308,26.795 36.068,26.035 36.068,21.275 R58.2@33.208,18.415
NetP7_1: P7.1 R50.1 | length 6.7
  Top Layer w0.4: P7.1@4.7,5.7 6.043,7.043 R50.1@6.043,11.811
NetP7_2: P7.2 R51.1 | length 6.8
  Top Layer w0.4: P7.2@9.7,5.7 11.451,7.451 R51.1@11.451,11.811
NetP7_3: P7.3 R52.1 | length 7.2
  Top Layer w0.4: P7.3@14.7,5.7 17.42,8.42 R52.1@17.42,11.811
NetP7_4: P7.4 R54.1 | length 7.6
  Top Layer w0.4: P7.4@19.7,5.7 23.389,9.389 R54.1@23.389,11.811
NetP7_5: P7.5 R59.1 | length 8
  Top Layer w0.4: P7.5@24.7,5.7 29.284,10.284 R59.1@29.284,11.811
NetP7_6: P7.6 R60.1 | length 10.2
  Top Layer w0.4: P7.6@29.7,5.7 29.7,7.856 30.988,9.144 34.163,9.144 35.052,10.033 R60.1@35.052,11.811
NetP7_7: P7.7 R61.1 | length 10.9
  Top Layer w0.4: P7.7@34.7,5.7 34.7,7.522 36.195,9.017 39.878,9.017 40.968,10.107 R61.1@40.968,11.811
NetP7_8: P7.8 R63.1 | length 10.9
  Top Layer w0.4: P7.8@39.7,5.7 42.89,8.89 45.974,8.89 46.863,9.779 46.81,9.832 R63.1@46.81,11.811
NetP9_1: P9.1 R62.2 | length 27.5
  Bottom Layer w0.4: R62.2@57.018,26.162 68.803,26.162 73.883,31.242 78.613,31.242 81,33.629 P9.1@81,34.036
NetP9_3: P9.3 R64.2 | length 30.8
  Bottom Layer w0.4: R64.2@57.15,23.495 60.198,23.495 62.315,25.612 69.031,25.612 74.111,30.692 80.196,30.692 P9.3@83.54,34.036